# KiCad board ulx4m_panel.kicad_pcb (continued)
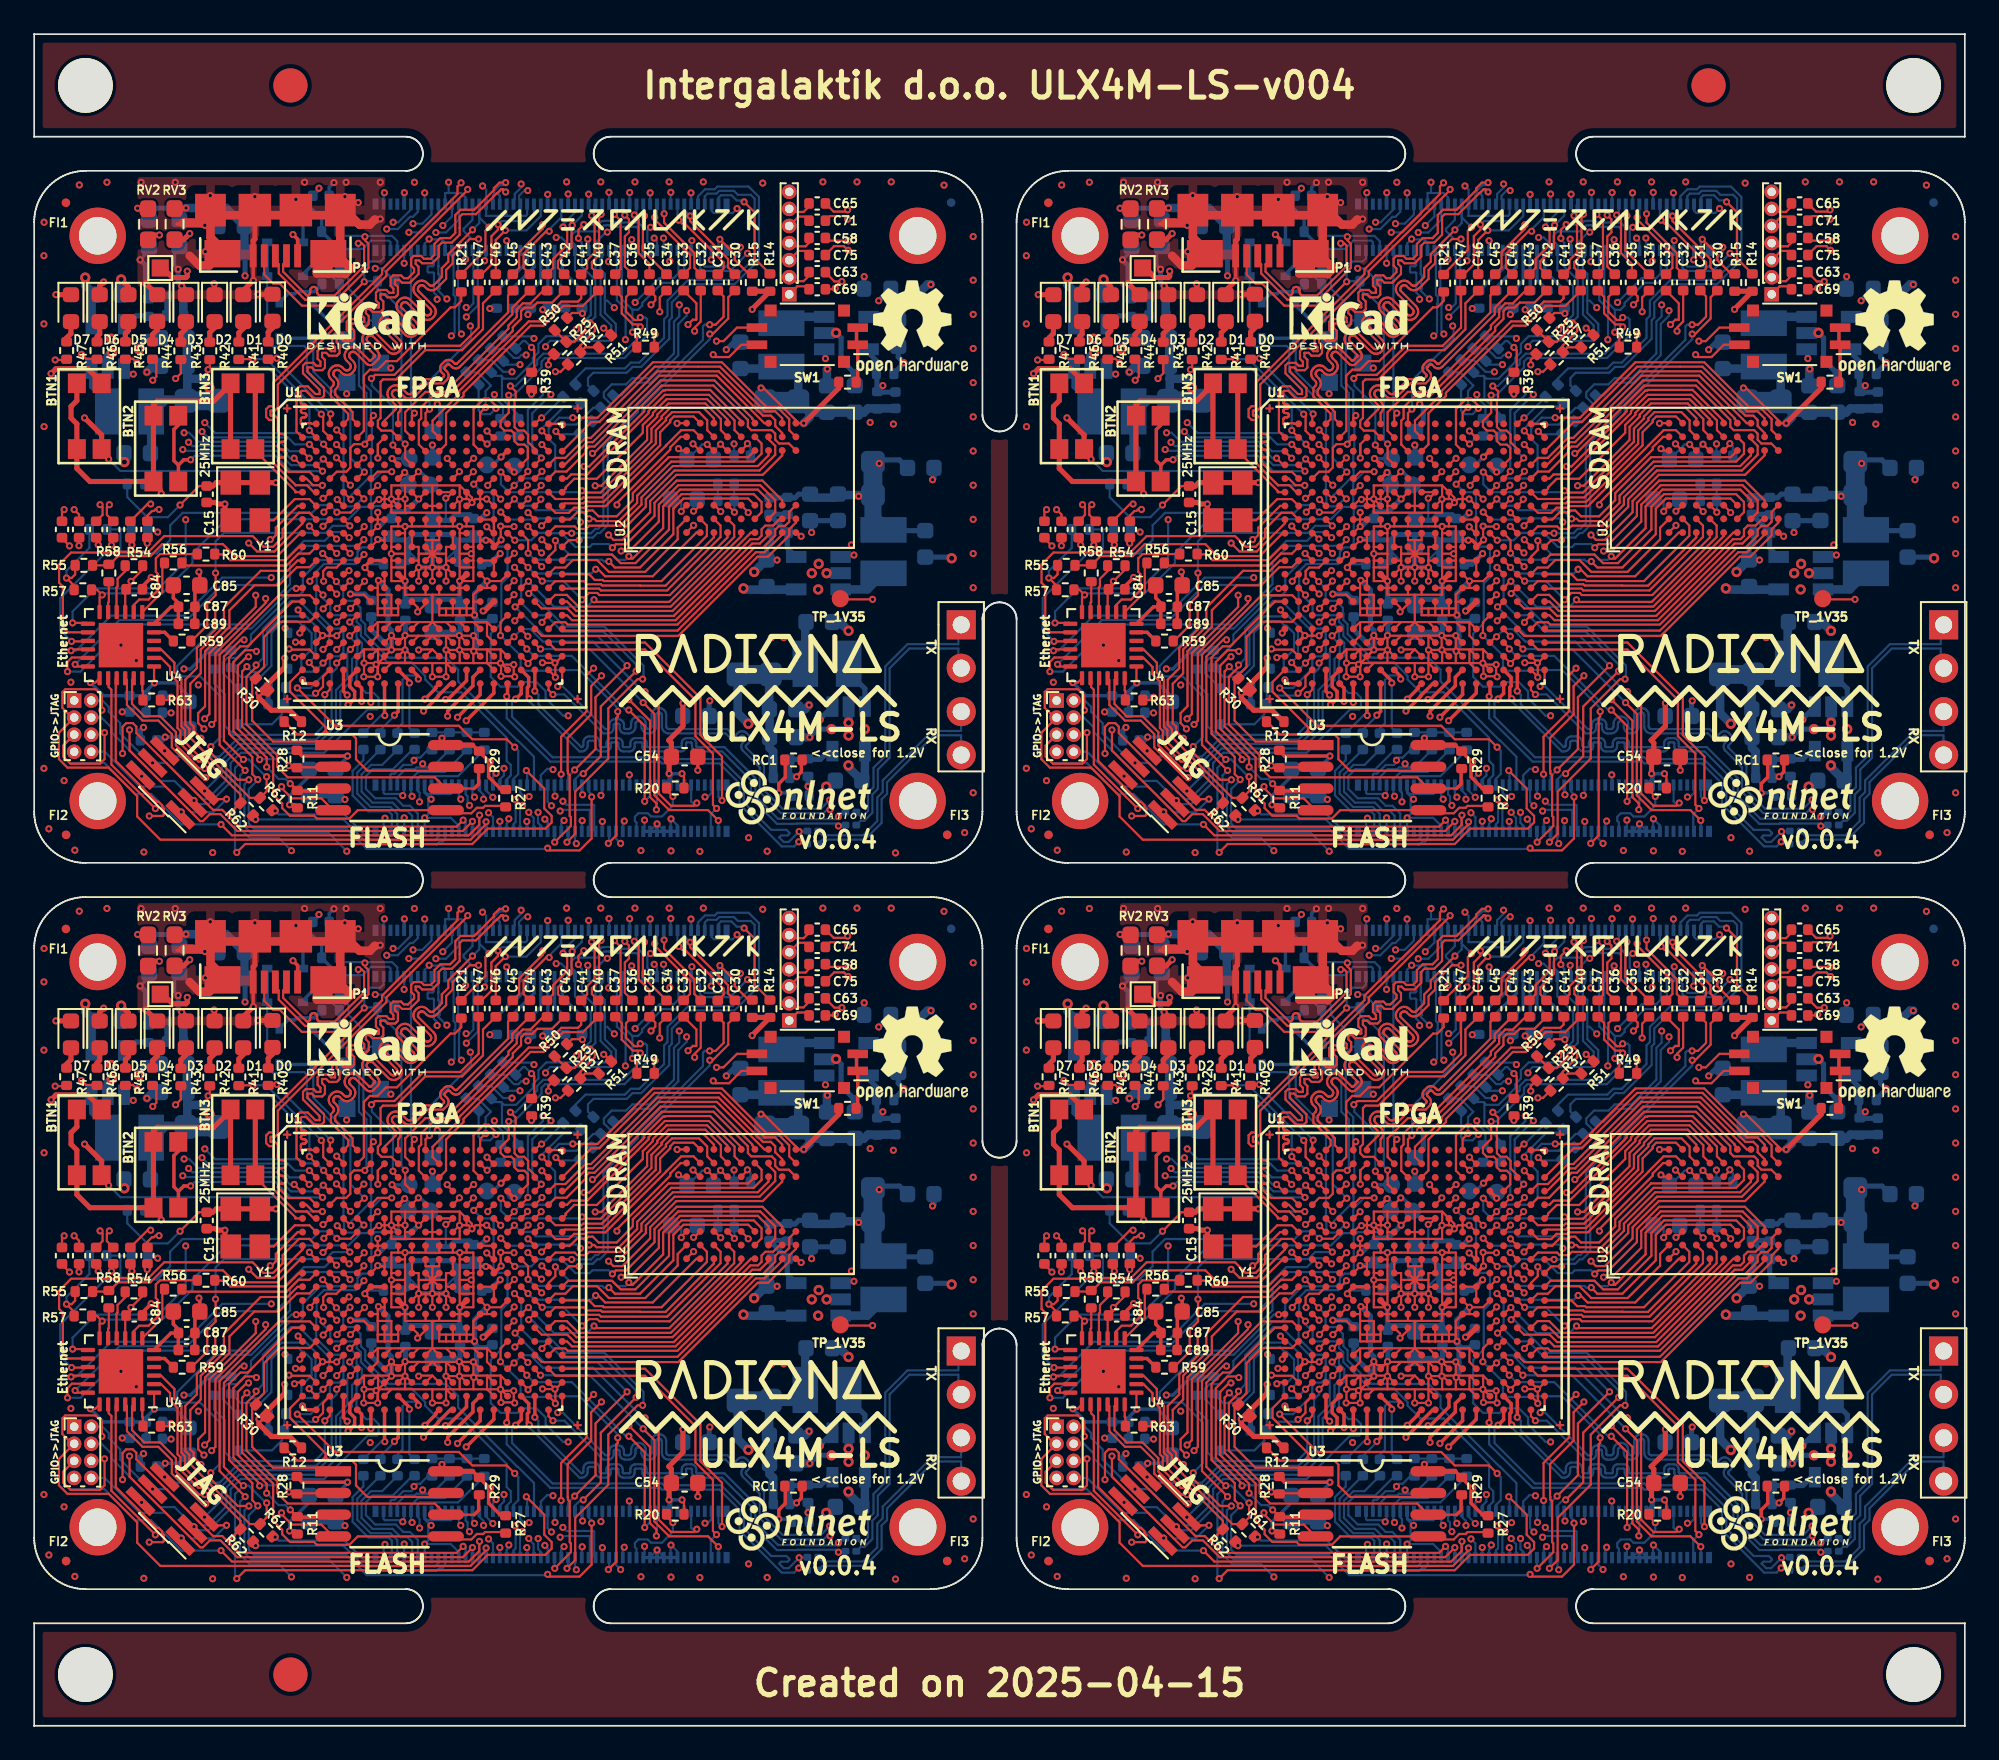
[diagram p0: board, top side]
## Footprints (pads in the part's own frame, mm; a bottom-side part is the same pattern mirrored in y, then rotated) (continued)
  rrect 1.295x1.4 smd: 1(-0.968,0) 2(0.968,0)
SOA008-150-208mil
  rect 2.1x0.6 smd: 1(-3.302,1.905)
  oval 2.1x0.6 smd: 2(-3.302,0.635) 3(-3.302,-0.635) 4(-3.302,-1.905) 5(3.302,-1.905) 6(3.302,-0.635) 7(3.302,0.635) 8(3.302,1.905)
SW_DIP_SPSTx02_Slide_Copal_CVS-02xB_W5.9mm_P1mm
  rect 1.2x0.5 smd: 1(-2.95,0.5) 2(-2.95,-0.5) 3(2.95,-0.5) 4(2.95,0.5)
  rect 0.7x0.7 smd: 5(-2.15,1.5) 5(-2.15,-1.5) 5(2.15,1.5) 5(2.15,-1.5)
Switch_EVPAA
  rect 1.15x1.05 smd: 1(-1.925,0.725) 1(1.925,0.725) 2(-1.925,-0.725) 2(1.925,-0.725)
TestPoint_Pad_1.0x1.0mm
  rect 1x1 smd: 1(0,0)
Testpoint_smd_1mm
  round 1 smd: 1(0,0.051)
TSOT-25
  rect 0.7x1.2 smd: 1(-0.95,-1.3) 2(0,-1.3) 3(0.95,-1.3) 4(0.95,1.3) 5(-0.95,1.3)
USB-MICRO-B-FCI-10118192-0001LF
  rect 0.4x1.35 smd: 1(-1.3,2.675) 2(-0.65,2.675) 3(0,2.675) 4(0.65,2.675) 5(1.3,2.675)
  rect 1.8x1.9 smd: 6(-3.8,0) 6(3.8,0)
  rect 2.1x1.6 smd: 6(-3.1,2.55) 6(3.1,2.55)
  rect 1.9x1.9 smd: 6(-1.2,0) 6(1.2,0)

## Nets
Board_0-/ethernet/VDDCR: C85#4.1 C87#4.1 C89#2.1 U4.6
Board_0-/power/P1V1: C2#4.1 C3.1 C4#3.1 C22#2.1 L1#3.2 RA1#4.1 RP1#3.1
Board_1-/ethernet/VDDCR: C85#3.1 C87#2.1 C89#4.1 U4#2.6
Board_1-/power/P1V1: C2#3.1 C3#2.1 C4.1 C22#4.1 L1#4.2 RA1#2.1 RP1#4.1
Board_2-/ethernet/VDDCR: C85#2.1 C87#3.1 C89#3.1 U4#3.6
Board_2-/power/P1V1: C2#2.1 C3#4.1 C4#4.1 C22#3.1 L1.2 RA1#3.1 RP1.1
Board_3-/ethernet/VDDCR: C85.1 C87.1 C89.1 U4#4.6
Board_3-/power/P1V1: C2.1 C3#3.1 C4#2.1 C22.1 L1#2.2 RA1.1 RP1#2.1
Board_0-2V5_3V3: C26#2.1 C38.1 C48#2.1 C49#4.1 C53.1 RV2#2.2 RV3#2.1 U1#2.F9 U1#2.F10 U1#2.H6 U1#2.H7 U1#2.J6
Board_0-+1V1: 1.1V_1#2.1 C17.1 C27.1 C28#3.1 RP1#3.2 U1#2.H8 U1#2.H9 U1#2.H10 U1#2.H11 U1#2.H12 U1#2.H13 U1#2.J8 U1#2.J13 U1#2.K8 U1#2.K13 U1#2.L8 U1#2.L13 U1#2.M8 U1#2.M13 U1#2.N8 U1#2.N9 U1#2.N10 U1#2.N11 U1#2.N12 U1#2.N13 U1#2.T6 U1#2.T7 U1#2.T8 U1#2.T9 U1#2.T10 U1#2.T11 U1#2.T12 U1#2.T13 U1#2.T14 U1#2.T15 U1#2.U6 U1#2.U15
Board_0-+1V35: C77#3.1 C95#4.1 C96#3.1 C97.1 C98.1 L4.2 RA4#4.1 RP4#3.1 RP4#3.2 TP_1V35#4.1
Board_0-+2V5: C10#4.1 C11.1 C12#4.1 C19#2.1 C23#3.1 C29#3.1 C39.1 L2#2.2 RA2#2.1 RP2#4.1 RP2#4.2 RV2#2.1 U1#2.F6 U1#2.F15 U1#2.P6 U1#2.P15 U1#2.V10 U1#2.V11 U1#2.V17 U1#2.V18
Board_0-+3.3VA: C86#4.1 C88#3.1 C90#4.1 FB1#2.2 U4.1 U4.19
Board_0-+5V: C1#2.1 C5.1 C9#3.1 C76.1 J1.77 J1.79 J1.81 J1.83 J1.85 J1.87 P1#3.1 R10#2.1 R13.1 R14#3.1 R15#4.1 U5#3.1 U5#3.4 U6#3.1 U6#3.4 U7#4.1 U7#4.4 U8.1 U8.4
Board_0-/blinkey/ALED0: D0#2.2 R40#3.2
Board_0-/blinkey/ALED1: D1#4.2 R41.2
Board_0-/blinkey/ALED2: D2#3.2 R42.2
Board_0-/blinkey/ALED3: D3#2.2 R43#4.2
Board_0-/blinkey/ALED4: D4#2.2 R44#2.2
Board_0-/blinkey/ALED5: D5#3.2 R45#3.2
Board_0-/blinkey/ALED6: D6#4.2 R46#3.2
Board_0-/blinkey/ALED7: D7.2 R47.2
Board_0-/ethernet/ETH_7: R56.1 U4.7
Board_0-/ethernet/ETH_8: R60.1 U4.8
Board_0-/ethernet/ETH_10: R54#4.1 U4.10
Board_0-/ethernet/ETH_11: R58.2 U4.11
Board_0-/ethernet/RBIAS: R63#4.1 U4.24
Board_0-/ethernet/XTAL: R59#2.1 U4.5
Board_0-/flash/FLASH_MISO: R28.2 U1#2.V2 U3.2
Board_0-/flash/FLASH_MOSI: R27#4.2 U1#2.W2 U3.5
Board_0-/flash/FLASH_nCS: R30#4.2 U1#2.R2 U3.1
Board_0-/flash/FLASH_nHOLD: R12.2 U1#2.W1 U3.7
Board_0-/flash/FLASH_nWP: R11#3.2 U1#2.Y2 U3.3
Board_0-/flash/FLASH_SCK: R29#4.2 U1#2.U3 U3.6
Board_0-/flash/FPGA_DONE: R32#4.2 U1#2.Y3
Board_0-/flash/FPGA_INITN: R33#3.2 U1#2.V3
Board_0-/flash/FPGA_PROGRAMN: C99#3.1 D15#4.2 D28#4.2 R31#3.2 U1#2.W3
Board_0-/gpio/CAM0_D0_LP: R21#4.2 U1#2.B5
Board_0-/power/FB1: C2#4.2 RA1#4.2 RB1#2.2 RC1.2 U5#3.5
Board_0-/power/FB2: C10#4.2 RA2#2.2 RB2.2 U6#3.5
Board_0-/power/FB3: C6#2.2 RA3#4.2 RB3#3.2 U7#4.5
Board_0-/power/FB4: C77#3.2 RA4#4.2 RB4#2.2 U8.5
Board_0-/power/L1: L1#3.1 U5#3.3
Board_0-/power/L2: L2#2.1 U6#3.3
Board_0-/power/L3: L3#4.1 U7#4.3
Board_0-/power/L4: L4.1 U8.3
Board_0-/serdes/1N: C91#2.1 J4#4.1
Board_0-/serdes/1P: C92.1 J4#4.2
Board_0-/serdes/2N: C93#2.1 J4#4.3
Board_0-/serdes/2P: C94#4.1 J4#4.4
Board_0-/serdes/CLK_0_N: C66#3.1 U1#2.Y12
Board_0-/serdes/CLK_0_P: C59#4.2 U1#2.Y11
Board_0-/serdes/CLK_1_N: C69.1 U1#2.W20
Board_0-/serdes/CLK_1_P: C63#2.2 U1#2.Y19
Board_0-/serdes/S_0_N: C67#2.1 U1#2.Y6
Board_0-/serdes/S_0_P: C61#4.2 U1#2.Y5
Board_0-/serdes/S_1_N: C68.1 U1#2.Y8
Board_0-/serdes/S_1_P: C62#3.2 U1#2.Y7
Board_0-/serdes/S_2_N: C72#3.1 U1#2.W5
Board_0-/serdes/S_2_P: C55#3.2 U1#2.W4
Board_0-/serdes/S_3_N: C73#2.1 U1#2.W9
Board_0-/serdes/S_3_P: C56#4.2 U1#2.W8
Board_0-/serdes/S_4_N: U1#2.Y15
Board_0-/serdes/S_4_P: U1#2.Y14
Board_0-/serdes/S_5_N: C71#3.1 C93#2.2 U1#2.Y17
Board_0-/serdes/S_5_P: C65.2 C94#4.2 U1#2.Y16
Board_0-/serdes/S_6_N: U1#2.W14
Board_0-/serdes/S_6_P: U1#2.W13
Board_0-/serdes/S_7_N: C75#4.1 C91#2.2 U1#2.W18
Board_0-/serdes/S_7_P: C58#3.2 C92.2 U1#2.W17
Board_0-/usb/D10_R4: D10.1 R4#4.1
Board_0-/usb/D11_R5: D11#2.2 R5#2.1
Board_0-/usb/D12_R6: D12#2.1 R6#3.1
Board_0-/usb/D13_R7: D13.2 R7#4.1
Board_0-AnalogIP0: J1.96
Board_0-AnalogIP1: J1.94
Board_0-BT_nDisable: J1.91
Board_0-BTN1: BTN1#2.2 U1#2.E1
Board_0-BTN2: BTN2#4.2 U1#2.D2
Board_0-BTN3: BTN3.2 U1#2.F1
Board_0-CAM0_C_N: J2#2.40 U1#2.E2
Board_0-CAM0_C_P: J2#2.42 U1#2.F2
Board_0-CAM0_D0_N: J2#2.28 U1#2.A5
Board_0-CAM0_D0_P: J2#2.30 R21#4.1 U1#2.A4
Board_0-CAM0_D1_N: J2#2.34 U1#2.B1
Board_0-CAM0_D1_P: J2#2.36 U1#2.A2
Board_0-CAM1_C_N: J2#2.27 U1#2.F3
Board_0-CAM1_C_P: J2#2.29 U1#2.G3
Board_0-CAM1_D0_N: J2#2.15 U1#2.B4
Board_0-CAM1_D0_P: J2#2.17 U1#2.C4
Board_0-CAM1_D1_N: J2#2.21 U1#2.D5
Board_0-CAM1_D1_P: J2#2.23 U1#2.E4
Board_0-CAM1_D2_N: J2#2.33
Board_0-CAM1_D2_P: J2#2.35
Board_0-CAM1_D3_N: J2#2.39
Board_0-CAM1_D3_P: J2#2.41
Board_0-Camera_GPIO: J1.97 U1#2.U19
Board_0-CLK_25MHz: U1#2.G2 Y1#2.3
Board_0-CM4_1.8V: J1.88 J1.90
Board_0-CM4_3.3V: C6#2.1 C7.1 C8.1 C13#3.1 C14.1 C15#3.1 C16#3.1 C18#2.1 C20#3.1 C21.1 C24.1 C25#2.1 C50#3.1 C51#3.1 C52#4.1 C54.1 C78#3.1 C79.1 C80#4.1 C81.1 C82.1 C84#2.1 C99#3.2 FB1#2.1 J1.84 J1.86 J3#3.2 L3#4.2 R8#4.1 R11#3.1 R12.1 R16#3.1 R18#3.2 R19.2 R20.2 R27#4.1 R28.1 R29#4.1 R30#4.1 R31#3.1 R32#4.1 R33#3.1 R53#4.1 R54#4.2 R55#3.1 R57.1 R64#2.2 R65#2.2 R66#2.2 R67#2.2 R70#2.1 RA3#4.1 RP3#4.1 RP3#4.2 RV3#2.2 U1#2.F11 U1#2.F12 U1#2.H14 U1#2.H15 U1#2.J15 U1#2.L6 U1#2.L7 U1#2.L14 U1#2.L15 U1#2.M6 U1#2.M15 U1#2.P9 U1#2.P10 U1#2.T2 U1#2.T3 U1#2.T4 U1#2.U2 U2#2.A7 U2#2.A9 U2#2.B3 U2#2.C7 U2#2.D3 U2#2.E7 U2#2.J9 U3.8 U4.9 Y1#2.1 Y1#2.4
Board_0-DSI0_C_N: J2#2.69 J2#2.87 R38#2.2 R39.1
Board_0-DSI0_C_P: J2#2.71 J2#2.89 R26#4.1 R49#2.1
Board_0-DSI0_D0_N: J2#2.57 J2#2.75 R37#3.2 R51#2.1
Board_0-DSI0_D0_P: J2#2.59 J2#2.77 R25#3.1 R50#3.1
Board_0-DSI0_D1_N: J2#2.63 J2#2.81 R36#2.2 R48#4.1
Board_0-DSI0_D1_P: J2#2.65 J2#2.83 R24#2.1 R52.1
Board_0-DSI1_D2_N: J2#2.93 R34#2.2
Board_0-DSI1_D2_P: J2#2.95 R22#4.1
Board_0-DSI1_D3_N: J2#2.94 R35#3.2
Board_0-DSI1_D3_P: J2#2.96 R23.1
Board_0-EEPROM_nWP: J1.20
Board_0-ETH_0N: J1.10 R65#2.1 U4.20
Board_0-ETH_0P: J1.12 R64#2.1 U4.21
Board_0-ETH_1N: J1.6 R67#2.1 U4.22
Board_0-ETH_1P: J1.4 R66#2.1 U4.23
Board_0-ETH_2N: C73#2.2 J1.9
Board_0-ETH_2P: C56#4.1 J1.11
Board_0-ETH_3N: C68.2 J1.5
Board_0-ETH_3P: C62#3.1 J1.3
Board_0-ETH_MDC: U1#2.J5 U4.13
Board_0-ETH_MDIO: R57.2 U1#2.E6 U4.12
Board_0-ETH_nLED1: J1.19 R62#4.1
Board_0-ETH_nLED2: J1.17 R61.1
Board_0-ETH_nLED3: J1.15
Board_0-ETH_SYNC_IN: J1.16
Board_0-ETH_SYNC_OUT: J1.18
Board_0-ETH_~{RESET}: C83#4.2 R53#4.2 U1#2.G5 U4.15
Board_0-FPDI_CLK+: C31#2.1 U1#2.J20
Board_0-FPDI_CLK-: C30#4.1 U1#2.K20
Board_0-FPDI_D0+: C33#4.1 U1#2.F17
Board_0-FPDI_D0-: C32.1 U1#2.G18
Board_0-FPDI_D1+: C35.1 U1#2.D18
Board_0-FPDI_D1-: C34.1 U1#2.E17
Board_0-FPDI_D2+: C37#4.1 U1#2.C18
Board_0-FPDI_D2-: C36#4.1 U1#2.D17
Board_0-GLOBAL_EN: J1.99 U1#2.U18
Board_0-GN0: C40.1 U1#2.C11
Board_0-GN3: C42#2.1 U1#2.C10
Board_0-GN4: C44#4.1 U1#2.A8
Board_0-GN5: C46.1 U1#2.B8
Board_0-GND: C1#2.2 C3.2 C4#3.2 C5.2 C7.2 C8.2 C9#3.2 C11.2 C12#4.2 C13#3.2 C14.2 C15#3.2 C16#3.2 C17.2 C18#2.2 C19#2.2 C20#3.2 C21.2 C22#2.2 C23#3.2 C24.2 C25#2.2 C26#2.2 C27.2 C28#3.2 C29#3.2 C38.2 C39.2 C48#2.2 C49#4.2 C50#3.2 C51#3.2 C52#4.2 C53.2 C54.2 C76.2 C78#3.2 C79.2 C80#4.2 C81.2 C82.2 C83#4.1 C84#2.2 C85#4.2 C86#4.2 C87#4.2 C88#3.2 C89#2.2 C90#4.2 C95#4.2 C96#3.2 C97.2 C98.2 D0#2.1 D1#4.1 D2#3.1 D3#2.1 D4#2.1 D5#3.1 D6#4.1 D7.1 D8.2 D9#4.2 H1#2.1 H2.1 H3#3.1 H4#3.1 J1.1 J1.2 J1.7 J1.8 J1.13 J1.14 J1.22 J1.23 J1.32 J1.33 J1.42 J1.43 J1.52 J1.53 J1.59 J1.60 J1.65 J1.66 J1.71 J1.74 J1.98 J2#2.7 J2#2.8 J2#2.13 J2#2.14 J2#2.19 J2#2.20 J2#2.25 J2#2.26 J2#2.31 J2#2.32 J2#2.37 J2#2.38 J2#2.44 J2#2.50 J2#2.55 J2#2.56 J2#2.61 J2#2.62 J2#2.67 J2#2.68 J2#2.73 J2#2.74 J2#2.79 J2#2.80 J2#2.85 J2#2.86 J2#2.91 J2#2.92 J2#2.97 J2#2.98 J3#3.1 J5#2.7 P1#3.5 P1#3.6 R9.1 R17#4.1 R39.2 R48#4.2 R49#2.2 R50#3.2 R51#2.2 R52.2 R63#4.2 RB1#2.1 RB2.1 RB3#3.1 RB4#2.1 RC2#2.1 U1#2.B7 U1#2.B14 U1#2.C19 U1#2.D4 U1#2.F7 U1#2.F8 U1#2.F13 U1#2.F14 U1#2.G4 U1#2.G6 U1#2.G7 U1#2.G8 U1#2.G9 U1#2.G10 U1#2.G11 U1#2.G12 U1#2.G13 U1#2.G14 U1#2.G15 U1#2.G17 U1#2.H19 U1#2.J2 U1#2.J7 U1#2.J9 U1#2.J10 U1#2.J11 U1#2.J12 U1#2.J14 U1#2.K6 U1#2.K7 U1#2.K9 U1#2.K10 U1#2.K11 U1#2.K12 U1#2.K14 U1#2.K15 U1#2.L9 U1#2.L10 U1#2.L11 U1#2.L12 U1#2.M2 U1#2.M7 U1#2.M9 U1#2.M10 U1#2.M11 U1#2.M12 U1#2.M14 U1#2.M16 U1#2.N6 U1#2.N7 U1#2.N14 U1#2.N15 U1#2.P7 U1#2.P8 U1#2.P11 U1#2.P12 U1#2.P13 U1#2.P14 U1#2.R4 U1#2.R19 U1#2.U4 U1#2.U7 U1#2.U8 U1#2.U9 U1#2.U10 U1#2.U11 U1#2.U12 U1#2.U13 U1#2.U14 U1#2.V5 U1#2.V6 U1#2.V7 U1#2.V8 U1#2.V9 U1#2.V12 U1#2.V13 U1#2.V14 U1#2.V15 U1#2.V16 U1#2.V19 U1#2.V20 U1#2.W6 U1#2.W7 U1#2.W12 U1#2.W15 U1#2.W16 U1#2.W19 U2#2.A1 U2#2.A3 U2#2.B7 U2#2.C3 U2#2.D7 U2#2.E3 U2#2.J1 U3.4 U4.25 U5#3.2 U6#3.2 U7#4.2 U8.2 Y1#2.2
Board_0-GP0: C41#3.1 U1#2.B11
Board_0-GP3: C43.1 U1#2.B9
Board_0-GP4: C45.1 U1#2.A7
Board_0-GP5: C47#4.1 U1#2.C8
Board_0-GPIO2: J1.58 U1#2.M17
Board_0-GPIO3: J1.56 U1#2.P17
Board_0-GPIO4: J1.54 U1#2.P16
Board_0-GPIO5: J1.34 U1#2.N1
Board_0-GPIO6: J1.30 U1#2.R1
Board_0-GPIO7: J1.37 U1#2.P3
Board_0-GPIO8: J1.39 U1#2.P4
Board_0-GPIO9: J1.40 U1#2.L5
Board_0-GPIO10: J1.44 R61.2 U1#2.K4 U4.3
Board_0-GPIO11: J1.38 U1#2.N2
Board_0-GPIO12: J1.31 J6#2.3 U1#2.L2
Board_0-GPIO13: J1.28 U1#2.T1
Board_0-GPIO14: J1.55 U1#2.N18
Board_0-GPIO15: J1.51 U1#2.N16
Board_0-GPIO16: J1.29 J6#2.5 U1#2.L1
Board_0-GPIO17: J1.50 U1#2.H3
Board_0-GPIO18: J1.49 U1#2.N5
Board_0-GPIO19: J1.26 U1#2.U1
Board_0-GPIO20: J1.27 J6#2.1 U1#2.L3
Board_0-GPIO21: J1.25 J6#2.7 R62#4.2 U1#2.L4 U4.2
Board_0-GPIO22: J1.46 U1#2.M3
Board_0-GPIO23: J1.47 U1#2.N4
Board_0-GPIO24: J1.45 U1#2.N3
Board_0-GPIO25: J1.41 U1#2.P5
Board_0-GPIO26: J1.24 U1#2.V1
Board_0-GPIO27: J1.48 U1#2.R17
Board_0-GPIO_VREF: J1.78
Board_0-HDMI0_CEC: J2#2.51 R8#4.2
Board_0-HDMI0_CLK_N: C30#4.2 J2#2.90
Board_0-HDMI0_CLK_P: C31#2.2 J2#2.88
Board_0-HDMI0_HOTPLUG: J2#2.53 R9.2
Board_0-HDMI0_SCL: J2#2.100 R14#3.2
Board_0-HDMI0_SDA: J2#2.99 R15#4.2
Board_0-HDMI0_TX0_N: C32.2 J2#2.84
Board_0-HDMI0_TX0_P: C33#4.2 J2#2.82
Board_0-HDMI0_TX1_N: C34.2 J2#2.78
Board_0-HDMI0_TX1_P: C35.2 J2#2.76
Board_0-HDMI0_TX2_N: C36#4.2 J2#2.72
Board_0-HDMI0_TX2_P: C37#4.2 J2#2.70
Board_0-HDMI1_CEC: J2#2.49 R16#3.2
Board_0-HDMI1_CLK_N: C40.2 J2#2.66
Board_0-HDMI1_CLK_P: C41#3.2 J2#2.64
Board_0-HDMI1_HOTPLUG: J2#2.43 R17#4.2
Board_0-HDMI1_SCL: J2#2.47 R10#2.2
Board_0-HDMI1_SDA: J2#2.45 R13.2
Board_0-HDMI1_TX0_N: C42#2.2 J2#2.60
Board_0-HDMI1_TX0_P: C43.2 J2#2.58
Board_0-HDMI1_TX1_N: C44#4.2 J2#2.54
Board_0-HDMI1_TX1_P: C45.2 J2#2.52
Board_0-HDMI1_TX2_N: C46.2 J2#2.48
Board_0-HDMI1_TX2_P: C47#4.2 J2#2.46
Board_0-ID_SC: J1.35 U1#2.J3
Board_0-ID_SD: J1.36 U1#2.H1
Board_0-JTAG_TCK: J3#3.4 J6#2.2 U1#2.T5
Board_0-JTAG_TDI: J3#3.3 J6#2.4 U1#2.R5
Board_0-JTAG_TDO: J3#3.6 J6#2.6 U1#2.V4
Board_0-JTAG_TMS: J3#3.5 J6#2.8 U1#2.U5
Board_0-LED0: R40#3.1 U1#2.A3
Board_0-LED1: R41.1 U1#2.B3
Board_0-LED2: R42.1 U1#2.B2
Board_0-LED3: R43#4.1 U1#2.C3
Board_0-LED4: R44#2.1 U1#2.C2
Board_0-LED5: R45#3.1 U1#2.C1
Board_0-LED6: R46#3.1 U1#2.D1
Board_0-LED7: R47.1 U1#2.D3
Board_0-Net-(BTN1-Pad1): BTN1#2.1 BTN2#4.1 BTN3.1 R18#3.1
Board_0-Net-(R70-Pad2): R70#2.2 SW1#4.1 SW1#4.2
Board_0-Net-(RC1-Pad1): RC1.1 RC2#2.2
Board_0-Net-(U1A-PT13B): TP_D8#3.1 U1#2.D8
Board_0-Net-(U1A-PT20B): TP_E9#2.1 U1#2.E9
Board_0-Net-(U1B-GR_PCLK1_0): R26#4.2 U1#2.D12
Board_0-Net-(U1B-GR_PCLK1_1): R38#2.1 U1#2.E12
Board_0-Net-(U1B-PT80A): R25#3.2 U1#2.D13
Board_0-Net-(U1B-PT80B): R37#3.1 U1#2.E13
Board_0-Net-(U1B-PT83A): R24#2.2 U1#2.A14
Board_0-Net-(U1B-PT83B): R36#2.1 U1#2.C14
Board_0-Net-(U1B-PT112A): TP_C16#3.1 U1#2.C16
Board_0-Net-(U1B-PT112B): TP_D16#4.1 U1#2.D16
Board_0-Net-(U1B-PT119A): R23.2 U1#2.A18
Board_0-Net-(U1B-PT119B): R35#3.1 U1#2.B19
Board_0-Net-(U1B-PT121A): R22#4.2 U1#2.A19
Board_0-Net-(U1B-PT121B): R34#2.1 U1#2.B20
Board_0-nEXTRST: J1.100 U1#2.U20
Board_0-nRPIBOOT: J1.93
Board_0-PCIe_CLK_N: C66#3.2 J2#2.12
Board_0-PCIe_CLK_nREQ: J2#2.2 U1#2.A10
Board_0-PCIe_CLK_P: C59#4.1 J2#2.10
Board_0-PCIe_nRST: J2#2.9 U1#2.A9
Board_0-PCIe_RX_N: C67#2.2 J2#2.18
Board_0-PCIe_RX_P: C61#4.1 J2#2.16
Board_0-PCIe_TX_N: C72#3.2 J2#2.24
Board_0-PCIe_TX_P: C55#3.1 J2#2.22
Board_0-PI_LED_nPWR: J1.95
Board_0-Pi_nLED_Activity: J1.21
Board_0-PWRBTn: D28#4.1 TP_E8#3.1 U1#2.E8
Board_0-RGMII_REF_CLK: U1#2.H2 U4.14
Board_0-RGMII_RX_DV: R55#3.2 R58.1 U1#2.J1
Board_0-RGMII_RXD0: R60.2 U1#2.K1
Board_0-RGMII_RXD1: R56.2 U1#2.K2
Board_0-RGMII_TX_CLK: R59#2.2 U1#2.H4
Board_0-RGMII_TX_EN: U1#2.K3 U4.16
Board_0-RGMII_TXD0: U1#2.K5 U4.17
Board_0-RGMII_TXD1: U1#2.J4 U4.18
Board_0-RUN_PG: J1.92 U1#2.U16
Board_0-SCL0: J1.80 U1#2.U17
Board_0-SD_CLK: J1.57 U1#2.G1
Board_0-SD_CMD: J1.62 U1#2.P1
Board_0-SD_D0: J1.63 U1#2.B15
Board_0-SD_D1: J1.67 U1#2.R16
Board_0-SD_D2: J1.69 U1#2.E14
Board_0-SD_D3: J1.61 U1#2.P2
Board_0-SD_DAT4: J1.68
Board_0-SD_DAT5: J1.64
Board_0-SD_DAT6: J1.72
Board_0-SD_DAT7: J1.70
Board_0-SD_PWR_ON: J1.75 R20.1 U1#2.E15
Board_0-SD_VDD_Override: J1.73
Board_0-SDA0: J1.82 U1#2.T17
Board_0-SDRAM_A0: U1#2.H16 U2#2.H7
Board_0-SDRAM_A1: U1#2.D19 U2#2.H8
Board_0-SDRAM_A2: U1#2.F16 U2#2.J8
Board_0-SDRAM_A3: U1#2.E18 U2#2.J7
Board_0-SDRAM_A4: U1#2.T19 U2#2.J3
Board_0-SDRAM_A5: U1#2.T18 U2#2.J2
Board_0-SDRAM_A6: U1#2.J16 U2#2.H3
Board_0-SDRAM_A7: U1#2.P18 U2#2.H2
Board_0-SDRAM_A8: U1#2.T20 U2#2.H1
Board_0-SDRAM_A9: U1#2.L19 U2#2.G3
Board_0-SDRAM_A10: U1#2.C20 U2#2.H9
Board_0-SDRAM_A11: U1#2.K19 U2#2.G2
Board_0-SDRAM_A12: U1#2.R20 U2#2.G1
Board_0-SDRAM_BA0: U1#2.J19 U2#2.G7
Board_0-SDRAM_BA1: U1#2.L16 U2#2.G8
Board_0-SDRAM_CKE: U1#2.J17 U2#2.F3
Board_0-SDRAM_CLK: U1#2.L20 U2#2.F2
Board_0-SDRAM_D0: U1#2.J18 U2#2.A8
Board_0-SDRAM_D1: U1#2.G20 U2#2.B9
Board_0-SDRAM_D2: U1#2.G19 U2#2.B8
Board_0-SDRAM_D3: U1#2.E16 U2#2.C9
Board_0-SDRAM_D4: U1#2.F19 U2#2.C8
Board_0-SDRAM_D5: U1#2.F20 U2#2.D9
Board_0-SDRAM_D6: U1#2.H18 U2#2.D8
Board_0-SDRAM_D7: U1#2.F18 U2#2.E9
Board_0-SDRAM_D8: U1#2.P19 U2#2.E1
Board_0-SDRAM_D9: U1#2.N17 U2#2.D2
Board_0-SDRAM_D10: U1#2.M18 U2#2.D1
Board_0-SDRAM_D11: U1#2.N20 U2#2.C2
Board_0-SDRAM_D12: U1#2.N19 U2#2.C1
Board_0-SDRAM_D13: U1#2.M20 U2#2.B2
Board_0-SDRAM_D14: U1#2.M19 U2#2.A2
Board_0-SDRAM_D15: U1#2.L17 U2#2.B1
Board_0-SDRAM_DQM0: U1#2.E20 U2#2.E8
Board_0-SDRAM_DQM1: U1#2.P20 U2#2.F1
Board_0-SDRAM_nCAS: U1#2.H20 U2#2.F7
Board_0-SDRAM_nCS: U1#2.D20 U2#2.G9
Board_0-SDRAM_nRAS: U1#2.G16 U2#2.F8
Board_0-SDRAM_nWE: U1#2.E19 U2#2.F9
Board_0-SRCLK1N: C69.2 J5#2.1
Board_0-SRCLK1P: C63#2.1 J5#2.2
Board_0-SRX11N: C71#3.2 J5#2.5
Board_0-SRX11P: C65.1 J5#2.6
Board_0-STX11N: C75#4.2 J5#2.3
Board_0-STX11P: C58#3.1 J5#2.4
Board_0-SW1: SW1#4.4 U1#2.L18
Board_0-SW2: SW1#4.3 U1#2.K18
Board_0-unconnected-(J1-Pad76): J1.76
Board_0-unconnected-(J2-Pad4): J2#2.4
Board_0-unconnected-(J2-Pad6): J2#2.6
Board_0-unconnected-(U1A-GR_PCLK0_0-PadB10): U1#2.B10
Board_0-unconnected-(U1A-PCLKC0_1-PadA11): U1#2.A11
Board_0-unconnected-(U1A-PT6B-PadD6): U1#2.D6
Board_0-unconnected-(U1A-PT9A-PadE7): U1#2.E7
Board_0-unconnected-(U1A-PT9B-PadD7): U1#2.D7
Board_0-unconnected-(U1A-PT11A-PadC6): U1#2.C6
Board_0-unconnected-(U1A-PT11B-PadC7): U1#2.C7
Board_0-unconnected-(U1A-PT54A-PadC9): U1#2.C9
Board_0-unconnected-(U1A-PT56A-PadD10): U1#2.D10
Board_0-unconnected-(U1A-PT56B-PadE10): U1#2.E10
Board_0-unconnected-(U1B-PCLKC1_0-PadC12): U1#2.C12
Board_0-unconnected-(U1B-PCLKC1_1-PadE11): U1#2.E11
Board_0-unconnected-(U1B-PCLKT1_0-PadB12): U1#2.B12
Board_0-unconnected-(U1B-PCLKT1_1-PadD11): U1#2.D11
Board_0-unconnected-(U1B-PT76A-PadA12): U1#2.A12
Board_0-unconnected-(U1B-PT76B-PadA13): U1#2.A13
Board_0-unconnected-(U1B-PT78A-PadB13): U1#2.B13
Board_0-unconnected-(U1B-PT78B-PadC13): U1#2.C13
Board_0-unconnected-(U1B-PT85A-PadD14): U1#2.D14
Board_0-unconnected-(U1B-PT103A-PadA15): U1#2.A15
Board_0-unconnected-(U1B-PT105B-PadC15): U1#2.C15
Board_0-unconnected-(U1B-PT107A-PadD15): U1#2.D15
Board_0-unconnected-(U1B-PT110A-PadA16): U1#2.A16
Board_0-unconnected-(U1B-PT110B-PadB16): U1#2.B16
Board_0-unconnected-(U1B-PT114A-PadB17): U1#2.B17
Board_0-unconnected-(U1B-PT114B-PadC17): U1#2.C17
Board_0-unconnected-(U1B-PT116A-PadA17): U1#2.A17
Board_0-unconnected-(U1B-PT116B-PadB18): U1#2.B18
Board_0-unconnected-(U1C-PR20B-PadH17): U1#2.H17
Board_0-unconnected-(U1C-PR29A-PadK16): U1#2.K16
Board_0-unconnected-(U1C-PR29B-PadK17): U1#2.K17
Board_0-unconnected-(U1D-PR77A-PadT16): U1#2.T16
Board_0-unconnected-(U1D-PR89B-PadR18): U1#2.R18
Board_0-unconnected-(U1E-PL77A-PadM5): U1#2.M5
Board_0-unconnected-(U1E-PL89B-PadM1): U1#2.M1
Board_0-unconnected-(U1F-GR_PCLK7_0-PadH5): U1#2.H5
Board_0-unconnected-(U1F-PL11D-PadC5): U1#2.C5
Board_0-unconnected-(U1G-DOUT/CSOn-PadR3): U1#2.R3
Board_0-unconnected-(U4-XTAL2-Pad4): U4.4
Board_0-US2_ID: J2#2.1 P1#3.4 R19.1 U1#2.D9
Board_0-USB_FPGA_D+: D8.1 R2#3.2 R4#4.2 R5#2.2 U1#2.A6 U1#2.F4
Board_0-USB_FPGA_D-: D9#4.1 R1#2.2 R6#3.2 R7#4.2 U1#2.B6 U1#2.E3
Board_0-USB_FPGA_PULL_D+: D10.2 D11#2.1 U1#2.F5
Board_0-USB_FPGA_PULL_D-: D12#2.2 D13.1 U1#2.E5
Board_0-USB_N: J2#2.3 P1#3.2 R1#2.1
Board_0-USB_P: J2#2.5 P1#3.3 R2#3.1
Board_0-USER_PROGRAMN: D15#4.1 U1#2.M4
Board_0-VDAC_COMP: J2#2.11
Board_0-WL_nDisable: J1.89
Board_1-2V5_3V3: C26.1 C38#3.1 C48#3.1 C49#2.1 C53#3.1 RV2.2 RV3#4.1 U1#4.F9 U1#4.F10 U1#4.H6 U1#4.H7 U1#4.J6
Board_1-+1V1: 1.1V_1#3.1 C17#4.1 C27#2.1 C28.1 RP1#4.2 U1#4.H8 U1#4.H9 U1#4.H10 U1#4.H11 U1#4.H12 U1#4.H13 U1#4.J8 U1#4.J13 U1#4.K8 U1#4.K13 U1#4.L8 U1#4.L13 U1#4.M8 U1#4.M13 U1#4.N8 U1#4.N9 U1#4.N10 U1#4.N11 U1#4.N12 U1#4.N13 U1#4.T6 U1#4.T7 U1#4.T8 U1#4.T9 U1#4.T10 U1#4.T11 U1#4.T12 U1#4.T13 U1#4.T14 U1#4.T15 U1#4.U6 U1#4.U15
Board_1-+1V35: C77#4.1 C95#2.1 C96#4.1 C97#4.1 C98#3.1 L4#2.2 RA4#2.1 RP4#2.1 RP4#2.2 TP_1V35#3.1
Board_1-+2V5: C10#2.1 C11#3.1 C12.1 C19#4.1 C23.1 C29#4.1 C39#2.1 L2#4.2 RA2#3.1 RP2#3.1 RP2#3.2 RV2.1 U1#4.F6 U1#4.F15 U1#4.P6 U1#4.P15 U1#4.V10 U1#4.V11 U1#4.V17 U1#4.V18
Board_1-+3.3VA: C86#3.1 C88.1 C90.1 FB1#3.2 U4#2.1 U4#2.19
Board_1-+5V: C1#3.1 C5#2.1 C9#4.1 C76#3.1 J1#4.77 J1#4.79 J1#4.81 J1#4.83 J1#4.85 J1#4.87 P1#4.1 R10#3.1 R13#4.1 R14#4.1 R15.1 U5#2.1 U5#2.4 U6#4.1 U6#4.4 U7#2.1 U7#2.4 U8#4.1 U8#4.4
Board_1-/blinkey/ALED0: D0#4.2 R40#4.2
Board_1-/blinkey/ALED1: D1#3.2 R41#2.2
Board_1-/blinkey/ALED2: D2.2 R42#4.2
Board_1-/blinkey/ALED3: D3#4.2 R43#2.2
Board_1-/blinkey/ALED4: D4#4.2 R44#4.2
Board_1-/blinkey/ALED5: D5#4.2 R45#4.2
Board_1-/blinkey/ALED6: D6.2 R46.2
Board_1-/blinkey/ALED7: D7#2.2 R47#4.2
Board_1-/ethernet/ETH_7: R56#3.1 U4#2.7
Board_1-/ethernet/ETH_8: R60#3.1 U4#2.8
Board_1-/ethernet/ETH_10: R54#2.1 U4#2.10
Board_1-/ethernet/ETH_11: R58#4.2 U4#2.11
Board_1-/ethernet/RBIAS: R63#3.1 U4#2.24
Board_1-/ethernet/XTAL: R59#3.1 U4#2.5
Board_1-/flash/FLASH_MISO: R28#2.2 U1#4.V2 U3#2.2
Board_1-/flash/FLASH_MOSI: R27#2.2 U1#4.W2 U3#2.5
Board_1-/flash/FLASH_nCS: R30#2.2 U1#4.R2 U3#2.1
Board_1-/flash/FLASH_nHOLD: R12#4.2 U1#4.W1 U3#2.7
Board_1-/flash/FLASH_nWP: R11#2.2 U1#4.Y2 U3#2.3
Board_1-/flash/FLASH_SCK: R29.2 U1#4.U3 U3#2.6
Board_1-/flash/FPGA_DONE: R32#3.2 U1#4.Y3
Board_1-/flash/FPGA_INITN: R33#4.2 U1#4.V3
Board_1-/flash/FPGA_PROGRAMN: C99#4.1 D15#2.2 D28#2.2 R31#2.2 U1#4.W3
Board_1-/gpio/CAM0_D0_LP: R21.2 U1#4.B5
Board_1-/power/FB1: C2#3.2 RA1#2.2 RB1#3.2 RC1#2.2 U5#2.5
Board_1-/power/FB2: C10#2.2 RA2#3.2 RB2#3.2 U6#4.5
Board_1-/power/FB3: C6#3.2 RA3.2 RB3.2 U7#2.5
Board_1-/power/FB4: C77#4.2 RA4#2.2 RB4#4.2 U8#4.5
Board_1-/power/L1: L1#4.1 U5#2.3
Board_1-/power/L2: L2#4.1 U6#4.3
Board_1-/power/L3: L3#3.1 U7#2.3
Board_1-/power/L4: L4#2.1 U8#4.3
Board_1-/serdes/1N: C91#4.1 J4#2.1
Board_1-/serdes/1P: C92#3.1 J4#2.2
Board_1-/serdes/2N: C93#3.1 J4#2.3
Board_1-/serdes/2P: C94.1 J4#2.4
Board_1-/serdes/CLK_0_N: C66#4.1 U1#4.Y12
Board_1-/serdes/CLK_0_P: C59#3.2 U1#4.Y11
Board_1-/serdes/CLK_1_N: C69#3.1 U1#4.W20
Board_1-/serdes/CLK_1_P: C63#3.2 U1#4.Y19
Board_1-/serdes/S_0_N: C67.1 U1#4.Y6
Board_1-/serdes/S_0_P: C61#2.2 U1#4.Y5
Board_1-/serdes/S_1_N: C68#3.1 U1#4.Y8
Board_1-/serdes/S_1_P: C62#2.2 U1#4.Y7
Board_1-/serdes/S_2_N: C72.1 U1#4.W5
Board_1-/serdes/S_2_P: C55#4.2 U1#4.W4
Board_1-/serdes/S_3_N: C73#3.1 U1#4.W9
Board_1-/serdes/S_3_P: C56#2.2 U1#4.W8
Board_1-/serdes/S_4_N: U1#4.Y15
Board_1-/serdes/S_4_P: U1#4.Y14
Board_1-/serdes/S_5_N: C71.1 C93#3.2 U1#4.Y17
Board_1-/serdes/S_5_P: C65#3.2 C94.2 U1#4.Y16
Board_1-/serdes/S_6_N: U1#4.W14
Board_1-/serdes/S_6_P: U1#4.W13
Board_1-/serdes/S_7_N: C75.1 C91#4.2 U1#4.W18
Board_1-/serdes/S_7_P: C58#2.2 C92#3.2 U1#4.W17
Board_1-/usb/D10_R4: D10#3.1 R4#3.1
Board_1-/usb/D11_R5: D11#3.2 R5#3.1
Board_1-/usb/D12_R6: D12#4.1 R6#2.1
Board_1-/usb/D13_R7: D13#3.2 R7.1
Board_1-AnalogIP0: J1#4.96
Board_1-AnalogIP1: J1#4.94
Board_1-BT_nDisable: J1#4.91
Board_1-BTN1: BTN1#3.2 U1#4.E1
Board_1-BTN2: BTN2#2.2 U1#4.D2
Board_1-BTN3: BTN3#4.2 U1#4.F1
Board_1-CAM0_C_N: J2#3.40 U1#4.E2
Board_1-CAM0_C_P: J2#3.42 U1#4.F2
Board_1-CAM0_D0_N: J2#3.28 U1#4.A5
Board_1-CAM0_D0_P: J2#3.30 R21.1 U1#4.A4
Board_1-CAM0_D1_N: J2#3.34 U1#4.B1
Board_1-CAM0_D1_P: J2#3.36 U1#4.A2
Board_1-CAM1_C_N: J2#3.27 U1#4.F3
Board_1-CAM1_C_P: J2#3.29 U1#4.G3
Board_1-CAM1_D0_N: J2#3.15 U1#4.B4
Board_1-CAM1_D0_P: J2#3.17 U1#4.C4
Board_1-CAM1_D1_N: J2#3.21 U1#4.D5
Board_1-CAM1_D1_P: J2#3.23 U1#4.E4
Board_1-CAM1_D2_N: J2#3.33
Board_1-CAM1_D2_P: J2#3.35
Board_1-CAM1_D3_N: J2#3.39
Board_1-CAM1_D3_P: J2#3.41
Board_1-Camera_GPIO: J1#4.97 U1#4.U19
Board_1-CLK_25MHz: U1#4.G2 Y1#4.3
Board_1-CM4_1.8V: J1#4.88 J1#4.90
Board_1-CM4_3.3V: C6#3.1 C7#3.1 C8#4.1 C13#4.1 C14#4.1 C15.1 C16.1 C18#3.1 C20.1 C21#4.1 C24#2.1 C25#4.1 C50.1 C51#4.1 C52#2.1 C54#3.1 C78.1 C79#2.1 C80.1 C81#3.1 C82#3.1 C84#3.1 C99#4.2 FB1#3.1 J1#4.84 J1#4.86 J3#4.2 L3#3.2 R8#2.1 R11#2.1 R12#4.1 R16#2.1 R18#4.2 R19#4.2 R20#4.2 R27#2.1 R28#2.1 R29.1 R30#2.1 R31#2.1 R32#3.1 R33#4.1 R53.1 R54#2.2 R55.1 R57#2.1 R64#4.2 R65.2 R66#4.2 R67#4.2 R70#3.1 RA3.1 RP3#2.1 RP3#2.2 RV3#4.2 U1#4.F11 U1#4.F12 U1#4.H14 U1#4.H15 U1#4.J15 U1#4.L6 U1#4.L7 U1#4.L14 U1#4.L15 U1#4.M6 U1#4.M15 U1#4.P9 U1#4.P10 U1#4.T2 U1#4.T3 U1#4.T4 U1#4.U2 U2#3.A7 U2#3.A9 U2#3.B3 U2#3.C7 U2#3.D3 U2#3.E7 U2#3.J9 U3#2.8 U4#2.9 Y1#4.1 Y1#4.4
Board_1-DSI0_C_N: J2#3.69 J2#3.87 R38.2 R39#4.1
Board_1-DSI0_C_P: J2#3.71 J2#3.89 R26#3.1 R49.1
Board_1-DSI0_D0_N: J2#3.57 J2#3.75 R37#4.2 R51.1
Board_1-DSI0_D0_P: J2#3.59 J2#3.77 R25#2.1 R50.1
Board_1-DSI0_D1_N: J2#3.63 J2#3.81 R36#3.2 R48#3.1
Board_1-DSI0_D1_P: J2#3.65 J2#3.83 R24#4.1 R52#4.1
Board_1-DSI1_D2_N: J2#3.93 R34.2
Board_1-DSI1_D2_P: J2#3.95 R22#3.1
Board_1-DSI1_D3_N: J2#3.94 R35.2
Board_1-DSI1_D3_P: J2#3.96 R23#2.1
Board_1-EEPROM_nWP: J1#4.20
Board_1-ETH_0N: J1#4.10 R65.1 U4#2.20
Board_1-ETH_0P: J1#4.12 R64#4.1 U4#2.21
Board_1-ETH_1N: J1#4.6 R67#4.1 U4#2.22
Board_1-ETH_1P: J1#4.4 R66#4.1 U4#2.23
Board_1-ETH_2N: C73#3.2 J1#4.9
Board_1-ETH_2P: C56#2.1 J1#4.11
Board_1-ETH_3N: C68#3.2 J1#4.5
Board_1-ETH_3P: C62#2.1 J1#4.3
Board_1-ETH_MDC: U1#4.J5 U4#2.13
Board_1-ETH_MDIO: R57#2.2 U1#4.E6 U4#2.12
Board_1-ETH_nLED1: J1#4.19 R62.1
Board_1-ETH_nLED2: J1#4.17 R61#4.1
Board_1-ETH_nLED3: J1#4.15
Board_1-ETH_SYNC_IN: J1#4.16
Board_1-ETH_SYNC_OUT: J1#4.18
Board_1-ETH_~{RESET}: C83.2 R53.2 U1#4.G5 U4#2.15
Board_1-FPDI_CLK+: C31#4.1 U1#4.J20
Board_1-FPDI_CLK-: C30#2.1 U1#4.K20
Board_1-FPDI_D0+: C33.1 U1#4.F17
Board_1-FPDI_D0-: C32#3.1 U1#4.G18
Board_1-FPDI_D1+: C35#4.1 U1#4.D18
Board_1-FPDI_D1-: C34#4.1 U1#4.E17
Board_1-FPDI_D2+: C37#2.1 U1#4.C18
Board_1-FPDI_D2-: C36#2.1 U1#4.D17
Board_1-GLOBAL_EN: J1#4.99 U1#4.U18
Board_1-GN0: C40#3.1 U1#4.C11
Board_1-GN3: C42#3.1 U1#4.C10
Board_1-GN4: C44.1 U1#4.A8
Board_1-GN5: C46#4.1 U1#4.B8
